# Altium PCB Minion.PcbDoc (part 1 of 10) (continued)
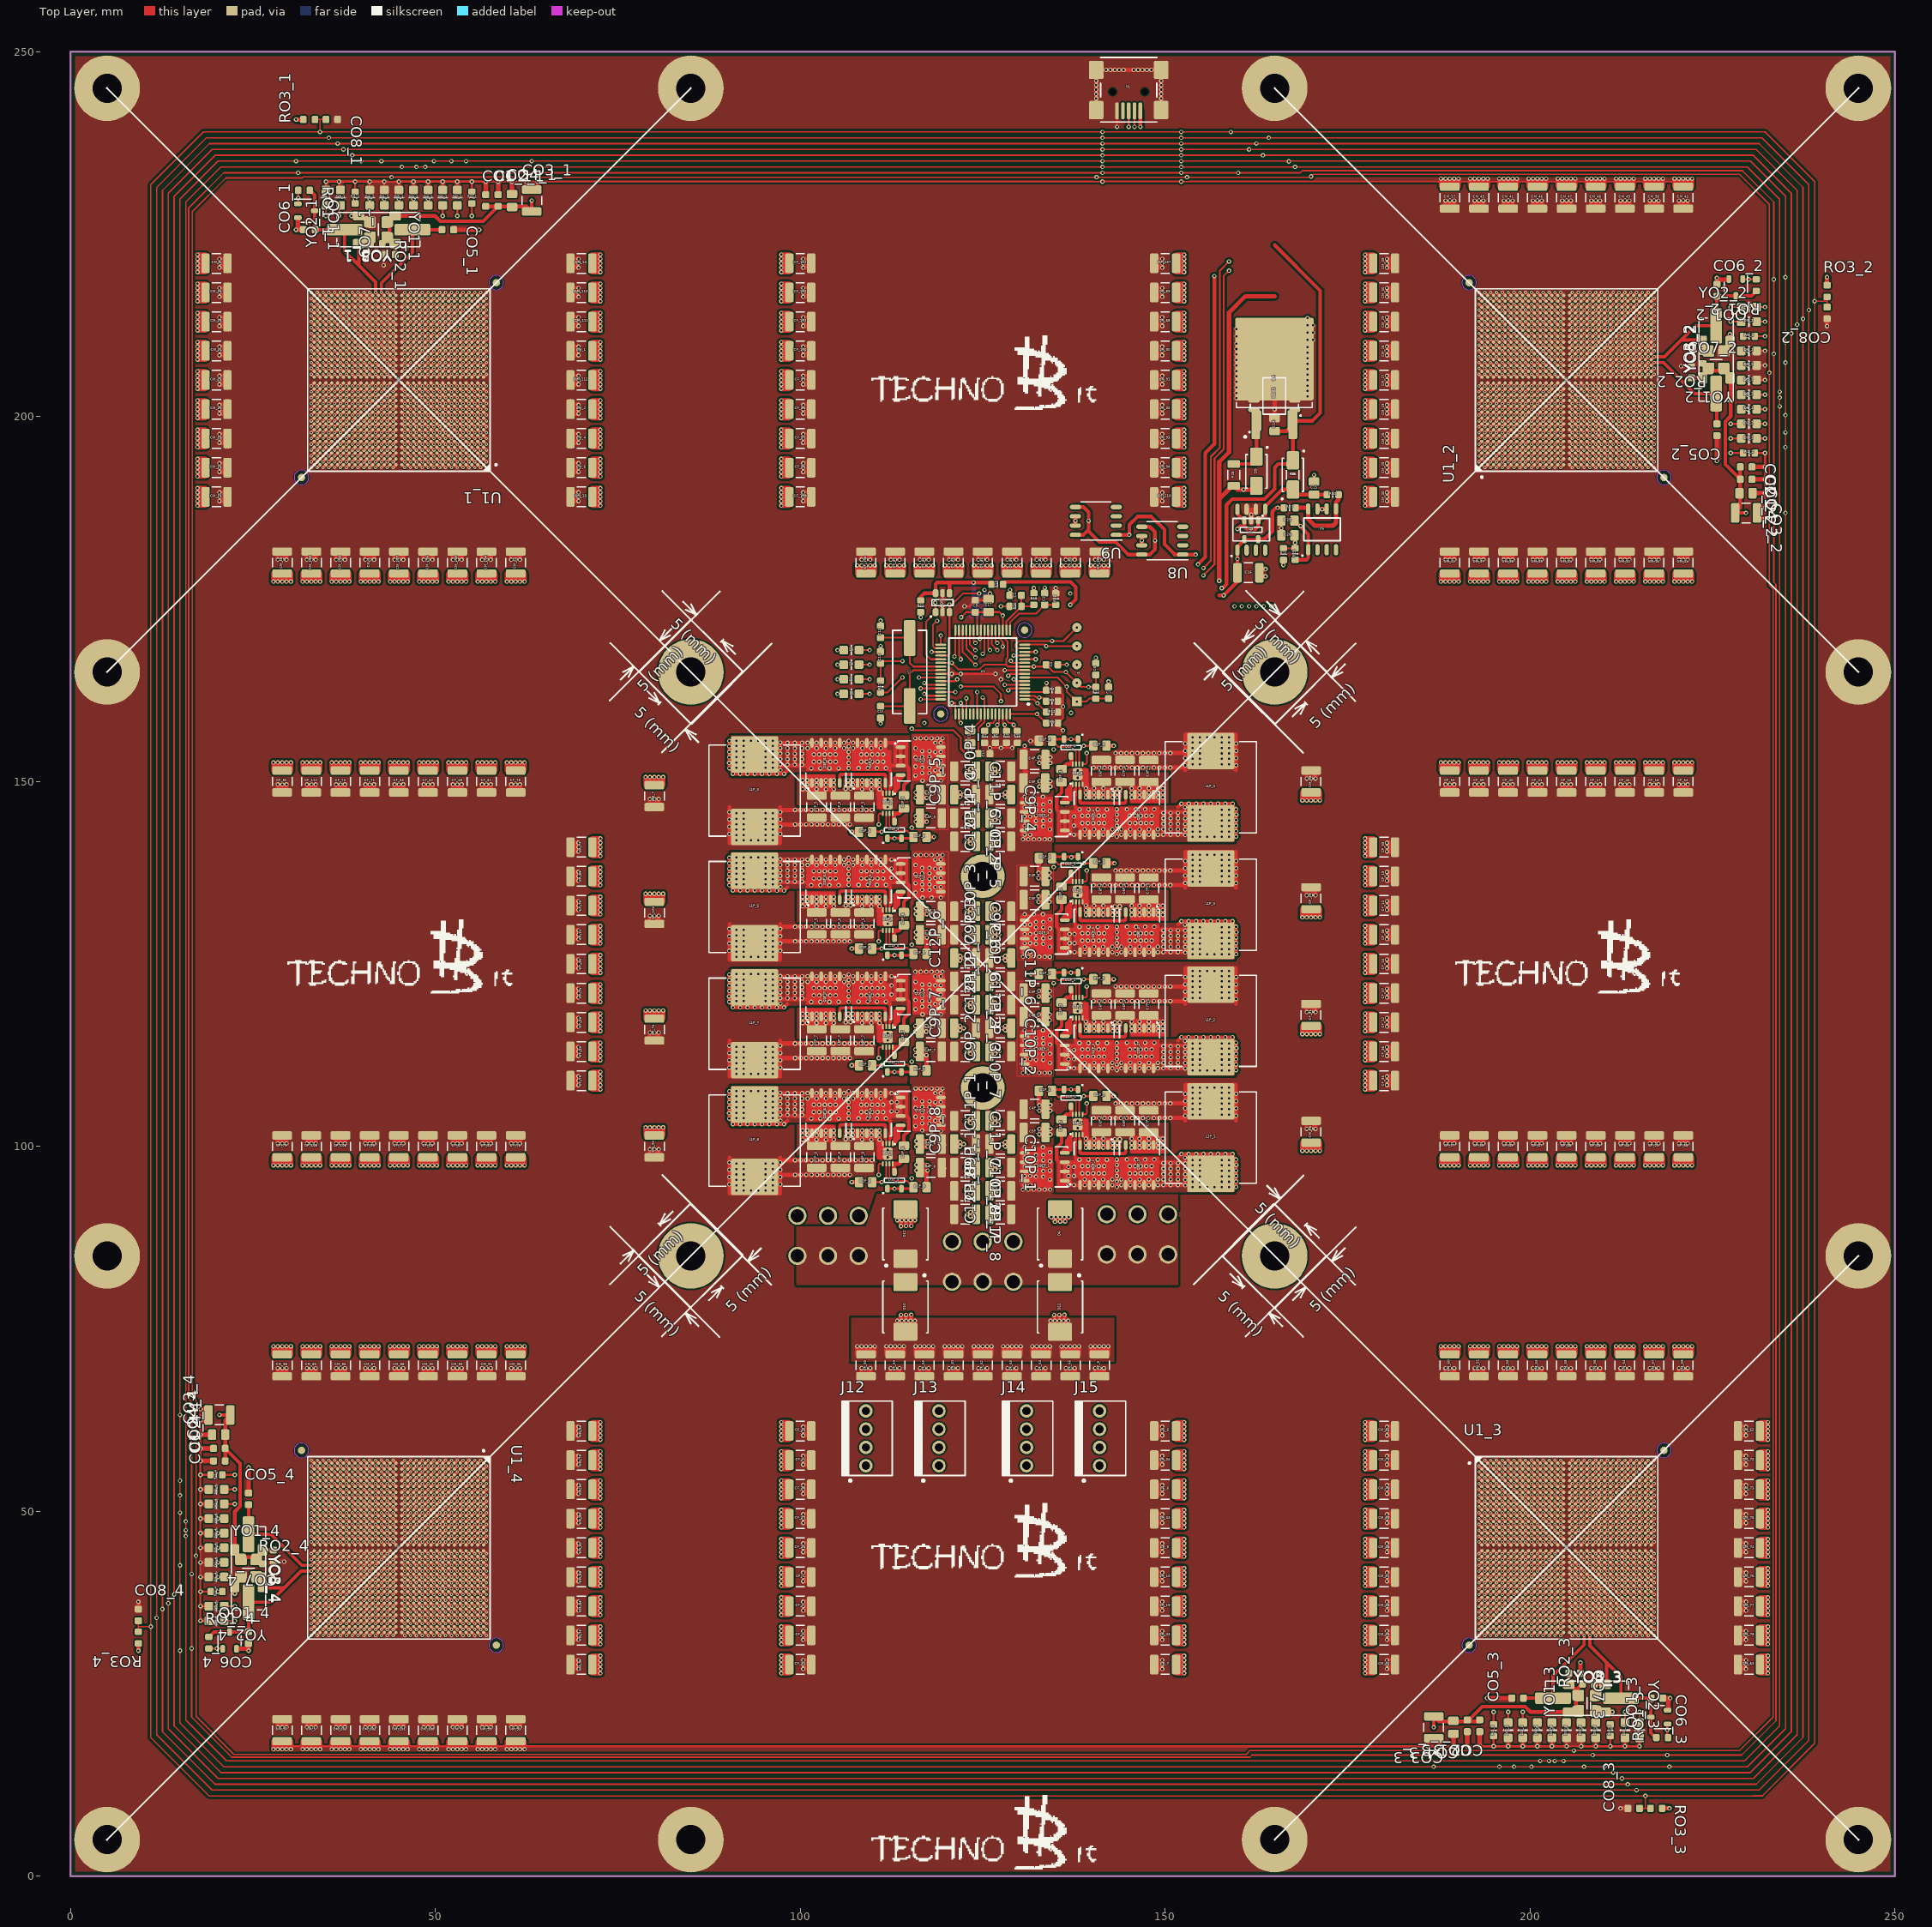
[diagram p0: Top Layer view]
## Components (designator, comment, footprint, x,y, rotation, side; value= is the part's Value field where it differs from the comment)
C1 "10uF/16V" SMD_0805_CAPC2012X145N 123.25,156.1 r270 top
C1P_1 "10uF/16V" SMD_0805_CAPC2012X145N 133.6,107.6 r0 top locked
C1P_2 "10uF/16V" SMD_0805_CAPC2012X145N 133.6,123.6 r0 top locked
C1P_3 "10uF/16V" SMD_0805_CAPC2012X145N 133.6,139.5 r0 top
C1P_4 "10uF/16V" SMD_0805_CAPC2012X145N 133.6,155.6 r0 top
C1P_5 "10uF/16V" SMD_0805_CAPC2012X145N 116.4,142.4 r180 top
C1P_6 "10uF/16V" SMD_0805_CAPC2012X145N 116.4,126.4 r180 top
C1P_7 "10uF/16V" SMD_0805_CAPC2012X145N 116.4,110.4 r180 top
C1P_8 "10uF/16V" SMD_0805_CAPC2012X145N 116.4,94.4 r180 top
C2 "1nF" SMD_0603_CAPC1608X80N 129.5,175.5 r180 top
C2P_1 "1uF/16V" SMD_0805_CAPC2012X145N 141.05,106.9 r0 top locked
C2P_2 "1uF/16V" SMD_0805_CAPC2012X145N 141.05,122.9 r0 top locked
C2P_3 "1uF/16V" SMD_0805_CAPC2012X145N 141.05,138.8 r0 top locked
C2P_4 "1uF/16V" SMD_0805_CAPC2012X145N 141.05,154.9 r0 top
C2P_5 "1uF/16V" SMD_0805_CAPC2012X145N 108.95,143.1 r180 top
C2P_6 "1uF/16V" SMD_0805_CAPC2012X145N 108.95,127.1 r180 top
C2P_7 "1uF/16V" SMD_0805_CAPC2012X145N 108.95,111.1 r180 top
C2P_8 "1uF/16V" SMD_0805_CAPC2012X145N 108.95,95.1 r180 top
C3 "1nF" SMD_0603_CAPC1608X80N 133.5,175 r90 top
C3P_1 "100nF/50V" SMD_0805_CAPC2012X145N 135.8,102.8 r270 top locked
C3P_2 "100nF/50V" SMD_0805_CAPC2012X145N 135.8,118.8 r270 top locked
C3P_3 "100nF/50V" SMD_0805_CAPC2012X145N 135.8,134.7 r270 top locked
C3P_4 "100nF/50V" SMD_0805_CAPC2012X145N 135.8,150.8 r270 top
C3P_5 "100nF/50V" SMD_0805_CAPC2012X145N 114.2,147.2 r90 top
C3P_6 "100nF/50V" SMD_0805_CAPC2012X145N 114.2,131.2 r90 top
C3P_7 "100nF/50V" SMD_0805_CAPC2012X145N 114.2,115.2 r90 top
C3P_8 "100nF/50V" SMD_0805_CAPC2012X145N 114.2,99.2 r90 top
C4 "100nF" SMD_0603_CAPC1608X80N 134.5,166 r0 top
C4P_1 "100uF" SMD_1210_CAPC3225X279N 132.1,105.1 r0 top
C4P_2 "100uF" SMD_1210_CAPC3225X279N 132.1,117.8 r0 top
C4P_3 "100uF" SMD_1210_CAPC3225X279N 132.1,137 r0 top
C4P_4 "100uF" SMD_1210_CAPC3225X279N 132.1,153 r0 top
C4P_5 "100uF" SMD_1210_CAPC3225X279N 117.9,145 r180 top
C4P_6 "100uF" SMD_1210_CAPC3225X279N 117.9,129 r180 top
C4P_7 "100uF" SMD_1210_CAPC3225X279N 117.9,116.2 r180 top
C4P_8 "100uF" SMD_1210_CAPC3225X279N 117.9,97.1 r180 top
C5P_1 "100uF" SMD_1210_CAPC3225X279N 132.1,101.9 r0 top
C5P_2 "100uF" SMD_1210_CAPC3225X279N 132.1,121 r0 top
C5P_3 "100uF" SMD_1210_CAPC3225X279N 132.1,133.8 r0 top
C5P_4 "100uF" SMD_1210_CAPC3225X279N 132.075,149.8 r0 top
C5P_5 "100uF" SMD_1210_CAPC3225X279N 117.9,148.2 r180 top
C5P_6 "100uF" SMD_1210_CAPC3225X279N 117.9,132.2 r180 top
C5P_7 "100uF" SMD_1210_CAPC3225X279N 117.9,113 r180 top
C5P_8 "100uF" SMD_1210_CAPC3225X279N 117.9,100.3 r180 top
C6P_1 "220uF" SMD_1210_CAPC3225X279N 144.5,103.45 r270 top
C6P_2 "220uF" SMD_1210_CAPC3225X279N 144.5,119.45 r270 top
C6P_3 "220uF" SMD_1210_CAPC3225X279N 144.5,135.35 r270 top
C6P_4 "220uF" SMD_1210_CAPC3225X279N 141.25,151.45 r270 top
C6P_5 "220uF" SMD_1210_CAPC3225X279N 105.5,146.55 r90 top
C6P_6 "220uF" SMD_1210_CAPC3225X279N 105.5,130.55 r90 top
C6P_7 "220uF" SMD_1210_CAPC3225X279N 105.5,114.55 r90 top
C6P_8 "220uF" SMD_1210_CAPC3225X279N 105.5,98.55 r90 top
C7 "100nF" SMD_0603_CAPC1608X80N 142.25,162.15 r90 top
C7P_1 "220uF" SMD_1210_CAPC3225X279N 147.75,103.45 r270 top
C7P_2 "220uF" SMD_1210_CAPC3225X279N 147.75,119.45 r270 top
C7P_3 "220uF" SMD_1210_CAPC3225X279N 147.75,135.35 r270 top
C7P_4 "220uF" SMD_1210_CAPC3225X279N 144.5,151.45 r270 top
C7P_5 "220uF" SMD_1210_CAPC3225X279N 102.25,146.55 r90 top
C7P_6 "220uF" SMD_1210_CAPC3225X279N 102.25,130.55 r90 top
C7P_7 "220uF" SMD_1210_CAPC3225X279N 102.25,114.55 r90 top
C7P_8 "220uF" SMD_1210_CAPC3225X279N 102.25,98.55 r90 top
C8 "100nF" SMD_0603_CAPC1608X80N 140.5,165.4 r90 top
C8P_1 "220uF" SMD_1210_CAPC3225X279N 141.25,103.45 r270 top locked
C8P_2 "220uF" SMD_1210_CAPC3225X279N 141.25,119.45 r270 top locked
C8P_3 "220uF" SMD_1210_CAPC3225X279N 141.25,135.35 r270 top locked
C8P_4 "220uF" SMD_1210_CAPC3225X279N 147.75,151.45 r270 top
C8P_5 "220uF" SMD_1210_CAPC3225X279N 108.75,146.55 r90 top
C8P_6 "220uF" SMD_1210_CAPC3225X279N 108.75,130.55 r90 top
C8P_7 "220uF" SMD_1210_CAPC3225X279N 108.75,114.55 r90 top
C8P_8 "220uF" SMD_1210_CAPC3225X279N 108.75,98.55 r90 top
C9 "100nF" SMD_0603_CAPC1608X80N 124,174 r90 top
C9P_1 "100uF" SMD_1210_CAPC3225X279N 127.4,97.1 r180 top
C9P_2 "(OPT)100uF" SMD_1210_CAPC3225X279N 127.4,113 r180 top
C9P_3 "100uF" SMD_1210_CAPC3225X279N 127.4,129 r180 top
C9P_4 "100uF" SMD_1210_CAPC3225X279N 127.4,148.2 r0 top
C9P_5 "100uF" SMD_1210_CAPC3225X279N 122.6,148.2 r180 top
C9P_6 "(OPT)100uF" SMD_1210_CAPC3225X279N 122.6,132.2 r0 top
C9P_7 "100uF" SMD_1210_CAPC3225X279N 122.6,116.2 r180 top
C9P_8 "100uF" SMD_1210_CAPC3225X279N 122.6,100.326 r180 top
C10 "100nF" SMD_0603_CAPC1608X80N 111,167 r90 top
C10P_1 "100uF" SMD_1210_CAPC3225X279N 127.4,100.3 r0 top
C10P_2 "100uF" SMD_1210_CAPC3225X279N 127.4,116.2 r0 top
C10P_3 "(OPT)100uF" SMD_1210_CAPC3225X279N 127.4,132.2 r180 top
C10P_4 "100uF" SMD_1210_CAPC3225X279N 127.4,151.4 r180 top
C10P_5 "100uF" SMD_1210_CAPC3225X279N 122.6,145 r0 top
C10P_6 "100uF" SMD_1210_CAPC3225X279N 122.6,129 r0 top
C10P_7 "(OPT)100uF" SMD_1210_CAPC3225X279N 122.6,113 r0 top
C10P_8 "100uF" SMD_1210_CAPC3225X279N 122.6,97.1 r0 top
C11 "100nF" SMD_0603_CAPC1608X80N 125.2,153.8 r0 top
C11P_1 "(OPT)100uF" SMD_1210_CAPC3225X279N 127.4,103.5 r180 top
C11P_2 "100uF" SMD_1210_CAPC3225X279N 127.4,122.6 r180 top
C11P_3 "100uF" SMD_1210_CAPC3225X279N 122.6,122.601 r0 top
C11P_4 "100uF" SMD_1210_CAPC3225X279N 127.4,145 r180 top
C11P_5 "100uF" SMD_1210_CAPC3225X279N 122.6,151.4 r0 top
C11P_6 "100uF" SMD_1210_CAPC3225X279N 127.4,125.8 r0 top
C11P_7 "(OPT)100uF" SMD_1210_CAPC3225X279N 122.6,103.501 r0 top
C11P_8 "100uF" SMD_1210_CAPC3225X279N 122.6,90.7 r0 top
C12 "18pF" SMD_0603_CAPC1608X80N 111,170.5 r90 top
C12P_1 "100uF" SMD_1210_CAPC3225X279N 127.4,93.899 r180 top
C12P_2 "100uF" SMD_1210_CAPC3225X279N 127.4,119.399 r180 top
C12P_3 "100uF" SMD_1210_CAPC3225X279N 122.6,119.399 r0 top
C12P_4 "(OPT)100uF" SMD_1210_CAPC3225X279N 127.4,141.8 r180 top
C12P_5 "(OPT)100uF" SMD_1210_CAPC3225X279N 122.6,141.8 r0 top
C12P_6 "100uF" SMD_1210_CAPC3225X279N 122.6,125.8 r180 top
C12P_7 "100uF" SMD_1210_CAPC3225X279N 122.6,93.9 r0 top
C12P_8 "100uF" SMD_1210_CAPC3225X279N 127.4,90.7 r180 top
C13 "18pF" SMD_0603_CAPC1608X80N 111,159.5 r270 top
C14 "10uF/16V" SMD_0805_CAPC2012X145N 165,198.9 r90 top
C15 "10uF/16V" SMD_0805_CAPC2012X145N 170.4,190.2 r90 top
C16 "220uF" SMD_1210_CAPC3225X279N 161.4,178.6 r0 top
C17 "22uF/6.3V" SMD_0805_CAPC2012X145N 125.8,174.1 r90 top
C25 "22uF/6.3V" SMD_0805_CAPC2012X145N 166.812,185.75 r0 top
C26 "22uF/6.3V" SMD_0805_CAPC2012X145N 166.812,183.725 r180 top
CF_1 "220uF" SMD_1210_CAPC3225X279N 100,41 r180 top
CF_2 "220uF" SMD_1210_CAPC3225X279N 100,37 r180 top
CF_3 "220uF" SMD_1210_CAPC3225X279N 100,33 r180 top
CF_4 "220uF" SMD_1210_CAPC3225X279N 100,57 r180 top
CF_5 "220uF" SMD_1210_CAPC3225X279N 141,70 r90 top
CF_6 "220uF" SMD_1210_CAPC3225X279N 150,61 r0 top
CF_7 "220uF" SMD_1210_CAPC3225X279N 150,29 r0 top
CF_8 "220uF" SMD_1210_CAPC3225X279N 150,53 r0 top
CF_9 "220uF" SMD_1210_CAPC3225X279N 150,45 r0 top
CF_10 "220uF" SMD_1210_CAPC3225X279N 150,41 r0 top
CF_11 "220uF" SMD_1210_CAPC3225X279N 70,129 r0 top
CF_12 "220uF" SMD_1210_CAPC3225X279N 180,117 r180 top
CF_13 "220uF" SMD_1210_CAPC3225X279N 180,125 r180 top
CF_14 "220uF" SMD_1210_CAPC3225X279N 180,133 r180 top
CF_15 "220uF" SMD_1210_CAPC3225X279N 180,137 r180 top
CF_16 "220uF" SMD_1210_CAPC3225X279N 205,150 r90 top
CF_17 "220uF" SMD_1210_CAPC3225X279N 209,150 r90 top
CF_18 "220uF" SMD_1210_CAPC3225X279N 217,150 r90 top
CF_19 "220uF" SMD_1210_CAPC3225X279N 150,37 r0 top
CF_20 "220uF" SMD_1210_CAPC3225X279N 70,125 r0 top
CF_21 "220uF" SMD_1210_CAPC3225X279N 70,121 r0 top
CF_22 "220uF" SMD_1210_CAPC3225X279N 49,150 r90 top
CF_23 "220uF" SMD_1210_CAPC3225X279N 70,117 r0 top
CF_24 "220uF" SMD_1210_CAPC3225X279N 70,113 r0 top
CF_25 "220uF" SMD_1210_CAPC3225X279N 217,100 r270 top
CF_26 "220uF" SMD_1210_CAPC3225X279N 100,45 r180 top
CF_27 "220uF" SMD_1210_CAPC3225X279N 100,49 r180 top
CF_28 "220uF" SMD_1210_CAPC3225X279N 100,53 r180 top
CF_29 "220uF" SMD_1210_CAPC3225X279N 170,134 r270 top
CF_30 "220uF" SMD_1210_CAPC3225X279N 109,70 r90 top
CF_31 "220uF" SMD_1210_CAPC3225X279N 100,61 r180 top
CF_32 "220uF" SMD_1210_CAPC3225X279N 100,29 r180 top
CF_33 "220uF" SMD_1210_CAPC3225X279N 150,49 r0 top
CF_34 "220uF" SMD_1210_CAPC3225X279N 150,57 r0 top
CF_35 "220uF" SMD_1210_CAPC3225X279N 57,100 r270 top
CF_36 "220uF" SMD_1210_CAPC3225X279N 180,113 r180 top
CF_37 "220uF" SMD_1210_CAPC3225X279N 180,121 r180 top
CF_38 "220uF" SMD_1210_CAPC3225X279N 180,129 r180 top
CF_39 "220uF" SMD_1210_CAPC3225X279N 193,150 r90 top
CF_40 "220uF" SMD_1210_CAPC3225X279N 197,150 r90 top
CF_41 "220uF" SMD_1210_CAPC3225X279N 201,150 r90 top
CF_42 "220uF" SMD_1210_CAPC3225X279N 213,150 r90 top
CF_43 "220uF" SMD_1210_CAPC3225X279N 150,33 r0 top
CF_44 "220uF" SMD_1210_CAPC3225X279N 213,100 r270 top
CF_45 "220uF" SMD_1210_CAPC3225X279N 209,100 r270 top
CF_46 "220uF" SMD_1210_CAPC3225X279N 205,100 r270 top
CF_47 "220uF" SMD_1210_CAPC3225X279N 201,100 r270 top
CF_48 "220uF" SMD_1210_CAPC3225X279N 53,150 r90 top
CF_49 "220uF" SMD_1210_CAPC3225X279N 197,100 r270 top
CF_50 "220uF" SMD_1210_CAPC3225X279N 193,100 r270 top
CF_51 "220uF" SMD_1210_CAPC3225X279N 170,118 r270 top
CF_52 "220uF" SMD_1210_CAPC3225X279N 57,150 r90 top
CF_53 "220uF" SMD_1210_CAPC3225X279N 189,150 r90 top
CF_54 "220uF" SMD_1210_CAPC3225X279N 221,150 r90 top
CF_55 "220uF" SMD_1210_CAPC3225X279N 180,141 r180 top
CF_56 "220uF" SMD_1210_CAPC3225X279N 180,109 r180 top
CF_57 "220uF" SMD_1210_CAPC3225X279N 189,100 r270 top
CF_58 "220uF" SMD_1210_CAPC3225X279N 221,100 r270 top
CF_59 "220uF" SMD_1210_CAPC3225X279N 113,70 r90 top
CF_60 "220uF" SMD_1210_CAPC3225X279N 117,70 r90 top
CF_61 "220uF" SMD_1210_CAPC3225X279N 121,70 r90 top
CF_62 "220uF" SMD_1210_CAPC3225X279N 125,70 r90 top
CF_63 "220uF" SMD_1210_CAPC3225X279N 129,70 r90 top
CF_64 "220uF" SMD_1210_CAPC3225X279N 133,70 r90 top
CF_65 "220uF" SMD_1210_CAPC3225X279N 45,150 r90 top
CF_66 "220uF" SMD_1210_CAPC3225X279N 137,70 r90 top
CF_67 "220uF" SMD_1210_CAPC3225X279N 53,100 r270 top
CF_68 "220uF" SMD_1210_CAPC3225X279N 49,100 r270 top
CF_69 "220uF" SMD_1210_CAPC3225X279N 70,137 r0 top
CF_70 "220uF" SMD_1210_CAPC3225X279N 70,133 r0 top
CF_71 "220uF" SMD_1210_CAPC3225X279N 41,150 r90 top
CF_72 "220uF" SMD_1210_CAPC3225X279N 45,100 r270 top
CF_73 "220uF" SMD_1210_CAPC3225X279N 37,150 r90 top
CF_74 "220uF" SMD_1210_CAPC3225X279N 80,116 r90 top
CF_75 "220uF" SMD_1210_CAPC3225X279N 70,109 r0 top
CF_76 "220uF" SMD_1210_CAPC3225X279N 61,100 r270 top
CF_77 "220uF" SMD_1210_CAPC3225X279N 70,141 r0 top
CF_78 "220uF" SMD_1210_CAPC3225X279N 61,150 r90 top
CF_79 "220uF" SMD_1210_CAPC3225X279N 29,100 r270 top
CF_80 "220uF" SMD_1210_CAPC3225X279N 29,150 r90 top
CF_81 "220uF" SMD_1210_CAPC3225X279N 137,180 r270 top
CF_82 "220uF" SMD_1210_CAPC3225X279N 133,180 r270 top
CF_83 "220uF" SMD_1210_CAPC3225X279N 129,180 r270 top
CF_84 "220uF" SMD_1210_CAPC3225X279N 125,180 r270 top
CF_85 "220uF" SMD_1210_CAPC3225X279N 121,180 r270 top
CF_86 "220uF" SMD_1210_CAPC3225X279N 117,180 r270 top
CF_87 "220uF" SMD_1210_CAPC3225X279N 113,180 r270 top
CF_88 "220uF" SMD_1210_CAPC3225X279N 150,213 r0 top
CF_89 "220uF" SMD_1210_CAPC3225X279N 150,217 r0 top
CF_90 "220uF" SMD_1210_CAPC3225X279N 150,209 r0 top
CF_91 "220uF" SMD_1210_CAPC3225X279N 150,205 r0 top
CF_92 "220uF" SMD_1210_CAPC3225X279N 150,201 r0 top
CF_93 "220uF" SMD_1210_CAPC3225X279N 150,197 r0 top
CF_94 "220uF" SMD_1210_CAPC3225X279N 150,193 r0 top
CF_95 "220uF" SMD_1210_CAPC3225X279N 41,100 r270 top
CF_96 "220uF" SMD_1210_CAPC3225X279N 100,193 r180 top
CF_97 "220uF" SMD_1210_CAPC3225X279N 100,197 r180 top
CF_98 "220uF" SMD_1210_CAPC3225X279N 100,201 r180 top
CF_99 "220uF" SMD_1210_CAPC3225X279N 100,205 r180 top
CF_100 "220uF" SMD_1210_CAPC3225X279N 100,209 r180 top
CF_101 "220uF" SMD_1210_CAPC3225X279N 100,213 r180 top
CF_102 "220uF" SMD_1210_CAPC3225X279N 100,217 r180 top
CF_103 "220uF" SMD_1210_CAPC3225X279N 109,180 r270 top
CF_104 "220uF" SMD_1210_CAPC3225X279N 80,132 r90 top
CF_105 "220uF" SMD_1210_CAPC3225X279N 141,180 r270 top
CF_106 "220uF" SMD_1210_CAPC3225X279N 37,100 r270 top
CF_107 "220uF" SMD_1210_CAPC3225X279N 150,221 r0 top
CF_108 "220uF" SMD_1210_CAPC3225X279N 33,100 r270 top
CF_109 "220uF" SMD_1210_CAPC3225X279N 100,189 r180 top
CF_110 "220uF" SMD_1210_CAPC3225X279N 150,189 r0 top
CF_111 "220uF" SMD_1210_CAPC3225X279N 100,221 r180 top
CF_112 "220uF" SMD_1210_CAPC3225X279N 33,150 r90 top
CM_1 "220uF" SMD_1210_CAPC3225X279N 70,209 r0 top
CM_2 "220uF" SMD_1210_CAPC3225X279N 70,201 r0 top
CM_3 "220uF" SMD_1210_CAPC3225X279N 41,180 r270 top
CM_4 "220uF" SMD_1210_CAPC3225X279N 70,197 r0 top
CM_5 "220uF" SMD_1210_CAPC3225X279N 33,20 r270 top
CM_6 "220uF" SMD_1210_CAPC3225X279N 70,193 r0 top
CM_7 "220uF" SMD_1210_CAPC3225X279N 80,148 r90 top
CM_8 "220uF" SMD_1210_CAPC3225X279N 20,221 r180 top
CM_9 "220uF" SMD_1210_CAPC3225X279N 53,20 r270 top
CM_10 "220uF" SMD_1210_CAPC3225X279N 29,180 r270 top
CM_11 "220uF" SMD_1210_CAPC3225X279N 70,33 r0 top
CM_12 "220uF" SMD_1210_CAPC3225X279N 61,180 r270 top
CM_13 "220uF" SMD_1210_CAPC3225X279N 70,221 r0 top
CM_14 "220uF" SMD_1210_CAPC3225X279N 20,189 r180 top
CM_15 "220uF" SMD_1210_CAPC3225X279N 70,189 r0 top
CM_16 "220uF" SMD_1210_CAPC3225X279N 20,193 r180 top
CM_17 "220uF" SMD_1210_CAPC3225X279N 189,230 r90 top
CM_18 "220uF" SMD_1210_CAPC3225X279N 20,197 r180 top
CM_19 "220uF" SMD_1210_CAPC3225X279N 180,201 r180 top
CM_20 "220uF" SMD_1210_CAPC3225X279N 20,201 r180 top
CM_21 "220uF" SMD_1210_CAPC3225X279N 20,209 r180 top
CM_22 "220uF" SMD_1210_CAPC3225X279N 20,205 r180 top
CM_23 "220uF" SMD_1210_CAPC3225X279N 20,213 r180 top
CM_24 "220uF" SMD_1210_CAPC3225X279N 20,217 r180 top
CM_25 "220uF" SMD_1210_CAPC3225X279N 180,193 r180 top
CM_26 "220uF" SMD_1210_CAPC3225X279N 180,197 r180 top
CM_27 "220uF" SMD_1210_CAPC3225X279N 180,205 r180 top
CM_28 "220uF" SMD_1210_CAPC3225X279N 180,209 r180 top
CM_29 "220uF" SMD_1210_CAPC3225X279N 180,213 r180 top
CM_30 "220uF" SMD_1210_CAPC3225X279N 180,217 r180 top
CM_31 "220uF" SMD_1210_CAPC3225X279N 217,180 r270 top
CM_32 "220uF" SMD_1210_CAPC3225X279N 213,180 r270 top
CM_33 "220uF" SMD_1210_CAPC3225X279N 209,180 r270 top
CM_34 "220uF" SMD_1210_CAPC3225X279N 205,180 r270 top
CM_35 "220uF" SMD_1210_CAPC3225X279N 201,180 r270 top
CM_36 "220uF" SMD_1210_CAPC3225X279N 197,180 r270 top
CM_37 "220uF" SMD_1210_CAPC3225X279N 193,180 r270 top
CM_38 "220uF" SMD_1210_CAPC3225X279N 170,150 r270 top
CM_39 "220uF" SMD_1210_CAPC3225X279N 180,221 r180 top
CM_40 "220uF" SMD_1210_CAPC3225X279N 180,189 r180 top
CM_41 "220uF" SMD_1210_CAPC3225X279N 197,230 r90 top
CM_42 "220uF" SMD_1210_CAPC3225X279N 189,180 r270 top
CM_43 "220uF" SMD_1210_CAPC3225X279N 221,230 r90 top
CM_44 "220uF" SMD_1210_CAPC3225X279N 221,180 r270 top
CM_45 "220uF" SMD_1210_CAPC3225X279N 193,230 r90 top
CM_46 "220uF" SMD_1210_CAPC3225X279N 201,230 r90 top
CM_47 "220uF" SMD_1210_CAPC3225X279N 205,230 r90 top
CM_48 "220uF" SMD_1210_CAPC3225X279N 209,230 r90 top
CM_49 "220uF" SMD_1210_CAPC3225X279N 213,230 r90 top
CM_50 "220uF" SMD_1210_CAPC3225X279N 217,230 r90 top
CM_51 "220uF" SMD_1210_CAPC3225X279N 193,70 r90 top
CM_52 "220uF" SMD_1210_CAPC3225X279N 197,70 r90 top
CM_53 "220uF" SMD_1210_CAPC3225X279N 201,70 r90 top
CM_54 "220uF" SMD_1210_CAPC3225X279N 213,70 r90 top
CM_55 "220uF" SMD_1210_CAPC3225X279N 205,70 r90 top
CM_56 "220uF" SMD_1210_CAPC3225X279N 209,70 r90 top
CM_57 "220uF" SMD_1210_CAPC3225X279N 217,70 r90 top
CM_58 "220uF" SMD_1210_CAPC3225X279N 170,102 r270 top
CM_59 "220uF" SMD_1210_CAPC3225X279N 221,70 r90 top
CM_60 "220uF" SMD_1210_CAPC3225X279N 189,70 r90 top
CM_61 "220uF" SMD_1210_CAPC3225X279N 180,61 r180 top
CM_62 "220uF" SMD_1210_CAPC3225X279N 230,61 r0 top
CM_63 "220uF" SMD_1210_CAPC3225X279N 230,29 r0 top
CM_64 "220uF" SMD_1210_CAPC3225X279N 180,29 r180 top
CM_65 "220uF" SMD_1210_CAPC3225X279N 180,33 r180 top
CM_66 "220uF" SMD_1210_CAPC3225X279N 180,37 r180 top
CM_67 "220uF" SMD_1210_CAPC3225X279N 180,41 r180 top
CM_68 "220uF" SMD_1210_CAPC3225X279N 180,45 r180 top
CM_69 "220uF" SMD_1210_CAPC3225X279N 180,49 r180 top
CM_70 "220uF" SMD_1210_CAPC3225X279N 180,53 r180 top
CM_71 "220uF" SMD_1210_CAPC3225X279N 180,57 r180 top
CM_72 "220uF" SMD_1210_CAPC3225X279N 230,57 r0 top
CM_73 "220uF" SMD_1210_CAPC3225X279N 230,53 r0 top
CM_74 "220uF" SMD_1210_CAPC3225X279N 230,45 r0 top
CM_75 "220uF" SMD_1210_CAPC3225X279N 230,49 r0 top
CM_76 "220uF" SMD_1210_CAPC3225X279N 230,41 r0 top
CM_77 "220uF" SMD_1210_CAPC3225X279N 230,37 r0 top
CM_78 "220uF" SMD_1210_CAPC3225X279N 230,33 r0 top
CM_79 "220uF" SMD_1210_CAPC3225X279N 70,57 r0 top
CM_80 "220uF" SMD_1210_CAPC3225X279N 70,49 r0 top
CM_81 "220uF" SMD_1210_CAPC3225X279N 70,53 r0 top
CM_82 "220uF" SMD_1210_CAPC3225X279N 70,45 r0 top
CM_83 "220uF" SMD_1210_CAPC3225X279N 70,41 r0 top
CM_84 "220uF" SMD_1210_CAPC3225X279N 70,37 r0 top
CM_85 "220uF" SMD_1210_CAPC3225X279N 33,70 r90 top
CM_86 "220uF" SMD_1210_CAPC3225X279N 37,70 r90 top
CM_87 "220uF" SMD_1210_CAPC3225X279N 41,70 r90 top
CM_88 "220uF" SMD_1210_CAPC3225X279N 45,70 r90 top
CM_89 "220uF" SMD_1210_CAPC3225X279N 53,70 r90 top
CM_90 "220uF" SMD_1210_CAPC3225X279N 49,70 r90 top
CM_91 "220uF" SMD_1210_CAPC3225X279N 57,70 r90 top
CM_92 "220uF" SMD_1210_CAPC3225X279N 80,100 r90 top
CM_93 "220uF" SMD_1210_CAPC3225X279N 61,20 r270 top
CM_94 "220uF" SMD_1210_CAPC3225X279N 70,61 r0 top
CM_95 "220uF" SMD_1210_CAPC3225X279N 70,29 r0 top
CM_96 "220uF" SMD_1210_CAPC3225X279N 61,70 r90 top
CM_97 "220uF" SMD_1210_CAPC3225X279N 29,20 r270 top
CM_98 "220uF" SMD_1210_CAPC3225X279N 29,70 r90 top
CM_99 "220uF" SMD_1210_CAPC3225X279N 57,20 r270 top
CM_100 "220uF" SMD_1210_CAPC3225X279N 49,20 r270 top
CM_101 "220uF" SMD_1210_CAPC3225X279N 45,20 r270 top
CM_102 "220uF" SMD_1210_CAPC3225X279N 41,20 r270 top
CM_103 "220uF" SMD_1210_CAPC3225X279N 37,20 r270 top
CM_104 "220uF" SMD_1210_CAPC3225X279N 57,180 r270 top
CM_105 "220uF" SMD_1210_CAPC3225X279N 53,180 r270 top
CM_106 "220uF" SMD_1210_CAPC3225X279N 49,180 r270 top
CM_107 "220uF" SMD_1210_CAPC3225X279N 45,180 r270 top
CM_108 "220uF" SMD_1210_CAPC3225X279N 37,180 r270 top
CM_109 "220uF" SMD_1210_CAPC3225X279N 33,180 r270 top
CM_110 "220uF" SMD_1210_CAPC3225X279N 70,217 r0 top
CM_111 "220uF" SMD_1210_CAPC3225X279N 70,213 r0 top
CM_112 "220uF" SMD_1210_CAPC3225X279N 70,205 r0 top
CO1_1 "1nF" SMD_0603_CAPC1608X80N 56.9,229.6 r90 top
CO1_2 "1nF" SMD_0603_CAPC1608X80N 229.6,191.4 r0 top
CO1_3 "1nF" SMD_0603_CAPC1608X80N 191.4,20.6 r270 top
CO1_4 "1nF" SMD_0603_CAPC1608X80N 20.4,56.9 r180 top
CO2_1 "100nF" SMD_0603_CAPC1608X80N 58.601,229.6 r90 top
CO2_2 "100nF" SMD_0603_CAPC1608X80N 229.6,193.1 r0 top
CO2_3 "100nF" SMD_0603_CAPC1608X80N 193.1,20.6 r270 top
CO2_4 "100nF" SMD_0603_CAPC1608X80N 20.4,58.611 r180 top
CO3_1 "220uF" SMD_1210_CAPC3225X279N 63.2,229.6 r90 top
CO3_2 "220uF" SMD_1210_CAPC3225X279N 229.6,186.8 r0 top
CO3_3 "220uF" SMD_1210_CAPC3225X279N 186.8,20.4 r270 top
CO3_4 "220uF" SMD_1210_CAPC3225X279N 20.4,63.2 r180 top
CO4_1 "22uF/6.3V" SMD_0805_CAPC2012X145N 60.5,229.6 r90 top
CO4_2 "22uF/6.3V" SMD_0805_CAPC2012X145N 229.6,189.5 r0 top
CO4_3 "22uF/6.3V" SMD_0805_CAPC2012X145N 189.5,20.4 r270 top
CO4_4 "22uF/6.3V" SMD_0805_CAPC2012X145N 20.3,60.5 r180 top
CO5_1 "(OPT)1nF" SMD_0603_CAPC1608X80N 51.7,225.6 r0 top
CO5_2 "(OPT)1nF" SMD_0603_CAPC1608X80N 225.6,198.2 r270 top
CO5_3 "(OPT)1nF" SMD_0603_CAPC1608X80N 198.3,24.4 r180 top
CO5_4 "(OPT)1nF" SMD_0603_CAPC1608X80N 24.4,51.7 r90 top
CO6_1 "(OPT)1nF" SMD_0603_CAPC1608X80N 32.7,225.6 r180 top
CO6_2 "(OPT)1nF" SMD_0603_CAPC1608X80N 225.6,217.3 r90 top
CO6_3 "(OPT)1nF" SMD_0603_CAPC1608X80N 217.4,24.4 r0 top
CO6_4 "(OPT)1nF" SMD_0603_CAPC1608X80N 24.4,32.7 r270 top
CO7_1 "470nF" SMD_0603_CAPC1608X80N 43.7,222.2 r180 top
CO7_2 "470nF" SMD_0603_CAPC1608X80N 222.1,206.1 r90 top
CO7_3 "470nF" SMD_0603_CAPC1608X80N 206.1,27.8 r0 top
CO7_4 "470nF" SMD_0603_CAPC1608X80N 27.8,43.9 r270 top
CO8_1 "100nF" SMD_0603_CAPC1608X80N 35.8,240.7 r0 top
CO8_2 "100nF" SMD_0603_CAPC1608X80N 240.7,214.2 r270 top
CO8_3 "100nF" SMD_0603_CAPC1608X80N 214.2,9.3 r180 top
CO8_4 "100nF" SMD_0603_CAPC1608X80N 9.3,35.8 r90 top
D1 "Red SML210VT ROHM" SMD_0805_LED2012X100N 107,162 r0 top
D1P_1 "BAT54C" SMD_SOT23_SOT95P240X120-3N 137.1,106.65 r270 top locked
D1P_2 "BAT54C" SMD_SOT23_SOT95P240X120-3N 137.1,122.65 r270 top locked
D1P_3 "BAT54C" SMD_SOT23_SOT95P240X120-3N 137.1,138.55 r270 top locked
D1P_4 "BAT54C" SMD_SOT23_SOT95P240X120-3N 137.1,154.65 r270 top locked
D1P_5 "BAT54C" SMD_SOT23_SOT95P240X120-3N 112.9,143.35 r90 top
D1P_6 "BAT54C" SMD_SOT23_SOT95P240X120-3N 112.9,127.35 r90 top
D1P_7 "BAT54C" SMD_SOT23_SOT95P240X120-3N 112.9,111.35 r90 top
D1P_8 "BAT54C" SMD_SOT23_SOT95P240X120-3N 112.9,95.35 r90 top
D2 "Green 	SML210MT ROHM" SMD_0805_LED2012X100N 107,164 r0 top
D3 "Yellow SML210YT ROHM" SMD_0805_LED2012X100N 107,168 r0 top
D4 "Orange 	SML210DT ROHM" SMD_0805_LED2012X100N 107,166 r0 top
D5 "SMS05T1G" SMD_SOT95P280X145-6N-W 119.5,174.5 r90 top
D6 "SMCJ12A" SMD_DO214AC_SMC 135.6,88 r90 top
D7 "(OPT)SS14" SMD_DO214AC_SMA 167.5,192 r270 top
D8 "(OPT)SS14" SMD_DO214AC_SMA 167.5,192 r90 top
D9 "SS14" SMD_DO214AC_SMA 162.5,192.5 r270 top
D10 "SMCJ12A" SMD_DO214AC_SMC 114.4,78 r270 top
D11 "SMCJ12A" SMD_DO214AC_SMC 114.4,88 r90 top
D12 "SMCJ12A" SMD_DO214AC_SMC 135.6,78 r270 top
DI1_1 "Red SML210VT ROHM" SMD_0805_LED2012X100N 43,230 r270 top
DI1_2 "Red SML210VT ROHM" SMD_0805_LED2012X100N 230,207 r180 top
DI1_3 "Red SML210VT ROHM" SMD_0805_LED2012X100N 207,20 r90 top
DI1_4 "Red SML210VT ROHM" SMD_0805_LED2012X100N 20,43 r0 top
DI2_1 "Green 	SML210MT ROHM" SMD_0805_LED2012X100N 51,230 r270 top
DI2_2 "Green 	SML210MT ROHM" SMD_0805_LED2012X100N 230,199 r180 top
DI2_3 "Green 	SML210MT ROHM" SMD_0805_LED2012X100N 199,20 r90 top
DI2_4 "Green 	SML210MT ROHM" SMD_0805_LED2012X100N 20,51 r0 top
DI3_1 "Yellow SML210YT ROHM" SMD_0805_LED2012X100N 47,230 r270 top
DI3_2 "Yellow SML210YT ROHM" SMD_0805_LED2012X100N 230,203 r180 top
DI3_3 "Yellow SML210YT ROHM" SMD_0805_LED2012X100N 203,20 r90 top
DI3_4 "Yellow SML210YT ROHM" SMD_0805_LED2012X100N 20,47 r0 top
DI4_1 "(OPT)Orange 	SML210DT ROHM" SMD_0805_LED2012X100N 35,230 r270 top
DI4_2 "(OPT)Orange 	SML210DT ROHM" SMD_0805_LED2012X100N 230,215 r180 top
DI4_3 "(OPT)Orange 	SML210DT ROHM" SMD_0805_LED2012X100N 215,20 r90 top
DI4_4 "(OPT)Orange 	SML210DT ROHM" SMD_0805_LED2012X100N 20,35 r0 top
DI5_1 "Red SML210VT ROHM" SMD_0805_LED2012X100N 45,230 r270 top
DI5_2 "Red SML210VT ROHM" SMD_0805_LED2012X100N 230,205 r180 top
DI5_3 "Red SML210VT ROHM" SMD_0805_LED2012X100N 205,20 r90 top
DI5_4 "Red SML210VT ROHM" SMD_0805_LED2012X100N 20,45 r0 top
DI6_1 "Green 	SML210MT ROHM" SMD_0805_LED2012X100N 41,230 r270 top
DI6_2 "Green 	SML210MT ROHM" SMD_0805_LED2012X100N 230,209 r180 top
DI6_3 "Green 	SML210MT ROHM" SMD_0805_LED2012X100N 209,20 r90 top
DI6_4 "Green 	SML210MT ROHM" SMD_0805_LED2012X100N 20,41 r0 top
DI7_1 "(OPT)Yellow SML210YT ROHM" SMD_0805_LED2012X100N 53,230 r270 top
DI7_2 "(OPT)Yellow SML210YT ROHM" SMD_0805_LED2012X100N 230,197 r180 top
DI7_3 "(OPT)Yellow SML210YT ROHM" SMD_0805_LED2012X100N 197,20 r90 top
DI7_4 "(OPT)Yellow SML210YT ROHM" SMD_0805_LED2012X100N 20,53 r0 top
DI8_1 "Orange 	SML210DT ROHM" SMD_0805_LED2012X100N 49,230 r270 top
DI8_2 "Orange 	SML210DT ROHM" SMD_0805_LED2012X100N 230,201 r180 top
DI8_3 "Orange 	SML210DT ROHM" SMD_0805_LED2012X100N 201,20 r90 top
DI8_4 "Orange 	SML210DT ROHM" SMD_0805_LED2012X100N 20,49 r0 top
DI9_1 "(OPT)Yellow SML210YT ROHM" SMD_0805_LED2012X100N 37,230 r270 top
DI9_2 "(OPT)Yellow SML210YT ROHM" SMD_0805_LED2012X100N 230,213 r180 top
DI9_3 "(OPT)Yellow SML210YT ROHM" SMD_0805_LED2012X100N 213,20 r90 top
DI9_4 "(OPT)Yellow SML210YT ROHM" SMD_0805_LED2012X100N 20,37 r0 top
J1 "(OPT) CON PROGRAM" "SIP5 PGM TOP" 137.9,160.95 r90 top
J2 "CU04SCM15B0-R0" SMD_CON-CVILUX-CU04-SCM15B0 145,244.5 r180 top
J4 "WURTH 649 006 295 22" PTH_CON_PCI-E 146.2,87.95 r0 bottom
J5 "BGA FAN" SMD_BGA900_FAN 45,205 r0 top locked
J6 "BGA FAN" SMD_BGA900_FAN 205,205 r0 top locked
J7 "BGA FAN" SMD_BGA900_FAN 205,45 r0 top locked
J8 "BGA FAN" SMD_BGA900_FAN 45,45 r0 top locked
J9 "WURTH 649 006 295 22" PTH_CON_PCI-E 125,84.2 r0 bottom
J10 "WURTH 649 006 295 22" PTH_CON_PCI-E 103.8,87.75 r0 bottom
J12 "CON FAN" PTH_CON_PANCON-MPSS100-04D 109,60 r90 top
J13 "CON FAN" PTH_CON_PANCON-MPSS100-04D 119,60 r90 top
J14 "CON FAN" PTH_CON_PANCON-MPSS100-04D 131,60 r90 top
J15 "CON FAN" PTH_CON_PANCON-MPSS100-04D 141,60 r90 top
L1P_1 "SLC1480-201MLD" "SMD_INDM12501250X800A - Coilcraft SLC1480" 156.25,101.2 r90 top locked
L1P_2 "SLC1480-201MLD" "SMD_INDM12501250X800A - Coilcraft SLC1480" 156.25,117.2 r90 top locked
L1P_3 "SLC1480-201MLD" "SMD_INDM12501250X800A - Coilcraft SLC1480" 156.25,133.1 r90 top locked
L1P_4 "SLC1480-201MLD" "SMD_INDM12501250X800A - Coilcraft SLC1480" 156.25,149.2 r90 top locked
L1P_5 "SLC1480-201MLD" "SMD_INDM12501250X800A - Coilcraft SLC1480" 93.75,148.75 r270 top
L1P_6 "SLC1480-201MLD" "SMD_INDM12501250X800A - Coilcraft SLC1480" 93.75,132.8 r270 top
L1P_7 "SLC1480-201MLD" "SMD_INDM12501250X800A - Coilcraft SLC1480" 93.75,116.8 r270 top
L1P_8 "SLC1480-201MLD" "SMD_INDM12501250X800A - Coilcraft SLC1480" 93.75,100.8 r270 top
Q1P_1 "AP1RA03GMT-3" SMD_SON127P615X520X100-8N 133.5,97.2 r180 top locked
Q1P_2 "AP1RA03GMT-3" SMD_SON127P615X520X100-8N 133.5,113.2 r180 top locked
Q1P_3 "AP1RA03GMT-3" SMD_SON127P615X520X100-8N 133.5,129.1 r180 top locked
Q1P_4 "AP1RA03GMT-3" SMD_SON127P615X520X100-8N 133.501,145.2 r180 top
Q1P_5 "AP1RA03GMT-3" SMD_SON127P615X520X100-8N 116.5,152.8 r0 top
Q1P_6 "AP1RA03GMT-3" SMD_SON127P615X520X100-8N 116.5,136.8 r0 top
Q1P_7 "AP1RA03GMT-3" SMD_SON127P615X520X100-8N 116.5,120.8 r0 top
Q1P_8 "AP1RA03GMT-3" SMD_SON127P615X520X100-8N 116.5,104.8 r0 top
Q2P_1 "AP1RA03GMT-3" SMD_SON127P615X520X100-8N 140.255,97.45 r270 top locked
Q2P_2 "AP1RA03GMT-3" SMD_SON127P615X520X100-8N 140.255,113.45 r270 top locked
Q2P_3 "AP1RA03GMT-3" SMD_SON127P615X520X100-8N 140.255,129.35 r270 top locked
Q2P_4 "AP1RA03GMT-3" SMD_SON127P615X520X100-8N 140.255,145.45 r270 top
Q2P_5 "AP1RA03GMT-3" SMD_SON127P615X520X100-8N 109.745,152.55 r90 top
Q2P_6 "AP1RA03GMT-3" SMD_SON127P615X520X100-8N 109.745,136.55 r90 top
Q2P_7 "AP1RA03GMT-3" SMD_SON127P615X520X100-8N 109.745,120.55 r90 top
Q2P_8 "AP1RA03GMT-3" SMD_SON127P615X520X100-8N 109.745,104.55 r90 top
Q3P_1 "AP1RA03GMT-3" SMD_SON127P615X520X100-8N 146.5,97.45 r270 top locked
Q3P_2 "AP1RA03GMT-3" SMD_SON127P615X520X100-8N 146.5,113.45 r270 top locked
Q3P_3 "AP1RA03GMT-3" SMD_SON127P615X520X100-8N 146.5,129.35 r270 top locked
Q3P_4 "AP1RA03GMT-3" SMD_SON127P615X520X100-8N 146.5,145.45 r270 top locked
Q3P_5 "AP1RA03GMT-3" SMD_SON127P615X520X100-8N 103.5,152.55 r90 top
Q3P_6 "AP1RA03GMT-3" SMD_SON127P615X520X100-8N 103.5,136.55 r90 top
Q3P_7 "AP1RA03GMT-3" SMD_SON127P615X520X100-8N 103.5,120.55 r90 top
Q3P_8 "AP1RA03GMT-3" SMD_SON127P615X520X100-8N 103.5,104.55 r90 top
QO1_1 "(OPT)BSS138" SMD_SOT23_SOT95P240X120-3N 32.3,228.2 r0 top
QO1_2 "(OPT)BSS138" SMD_SOT23_SOT95P240X120-3N 228.2,217.7 r270 top
QO1_3 "(OPT)BSS138" SMD_SOT23_SOT95P240X120-3N 217.7,21.8 r180 top
QO1_4 "(OPT)BSS138" SMD_SOT23_SOT95P240X120-3N 21.8,32.3 r90 top
R1 "10k" SMD_0603_RESC1608X55N 126.75,156.1 r270 top
R2 "10k" SMD_0603_RESC1608X55N 125.25,156.1 r270 top
R3 "10k" SMD_0603_RESC1608X55N 134.5,161 r180 top
R4 "10k" SMD_0603_RESC1608X55N 134.5,162.5 r180 top
R9 "10k" SMD_0603_RESC1608X55N 134.5,158 r0 top
R10 "10k" SMD_0603_RESC1608X55N 129.75,156.1 r270 top
R11 "10k" SMD_0603_RESC1608X55N 128.25,156.1 r270 top
R12 "10k" SMD_0603_RESC1608X55N 134.5,159.5 r180 top
R15 "10k" SMD_0603_RESC1608X55N 132,175 r270 top
R16 "2.4k" SMD_0603_RESC1608X55N 129.5,174 r0 top
R17 "0" SMD_0603_RESC1608X55N 111,163 r270 top
R18 "10k" SMD_0603_RESC1608X55N 135,175 r90 top
R22 "10k" SMD_0603_RESC1608X55N 140.5,162.15 r90 top
R23 "10k" SMD_0603_RESC1608X55N 116.5,174 r270 top
R25 "0" SMD_0603_RESC1608X55N 127,177 r180 top
R26 "2" SMD_1206_RESC3216X180N 167.5,192 r270 top
R27 "0" SMD_0603_RESC1608X55N 167.062,187.5 r0 top
R28 "100" SMD_1206_RESC3216X180N 159.4,192 r270 top
R29 "47" SMD_0603_RESC1608X55N 167.812,181.175 r90 top
R30 "(OPT)0" SMD_0603_RESC1608X55N 172.962,189.3 r180 top
R31 "47" SMD_0603_RESC1608X55N 166.2,181.15 r90 top
RI1_1 "0" SMD_0603_RESC1608X55N 39,230 r90 top
RI1_2 "0" SMD_0603_RESC1608X55N 230,211 r0 top
RI1_3 "0" SMD_0603_RESC1608X55N 211,20 r270 top
RI1_4 "0" SMD_0603_RESC1608X55N 20,39 r180 top
RI2_1 "0" SMD_0603_RESC1608X55N 55,230 r90 top
RI2_2 "0" SMD_0603_RESC1608X55N 230,195 r0 top
RI2_3 "0" SMD_0603_RESC1608X55N 195,20 r270 top
RI2_4 "0" SMD_0603_RESC1608X55N 20,55 r180 top
RO1_1 "(OPT)0" SMD_0603_RESC1608X55N 32,231 r0 top
RO1_2 "(OPT)0" SMD_0603_RESC1608X55N 231,218 r270 top
RO1_3 "(OPT)0" SMD_0603_RESC1608X55N 218.1,19 r180 top
RO1_4 "(OPT)0" SMD_0603_RESC1608X55N 18.95,32 r90 top
RO2_1 "(OPT)1k" SMD_0603_RESC1608X55N 41.9,223.7 r0 top
RO2_2 "(OPT)1k" SMD_0603_RESC1608X55N 223.7,208.1 r270 top
RO2_3 "(OPT)1k" SMD_0603_RESC1608X55N 208,26.3 r180 top
RO2_4 "(OPT)1k" SMD_0603_RESC1608X55N 26.3,42 r90 top
RO3_1 "10k" SMD_0603_RESC1608X55N 32.7,240.7 r180 top
RO3_2 "10k" SMD_0603_RESC1608X55N 240.7,217.2 r90 top
RO3_3 "10k" SMD_0603_RESC1608X55N 217.3,9.3 r0 top
RO3_4 "10k" SMD_0603_RESC1608X55N 9.3,32.7 r270 top
U1 "dsPIC33EP256MU806" SMD_QFP50P1200X1200X120-64N 125,165 r180 top
U1_1 "Minion BGA" "SMD_BGA900C80P30X30_2500X2500X240 -  FANOUT" 45,205 r180 top
U1_2 "Minion BGA" "SMD_BGA900C80P30X30_2500X2500X240 -  FANOUT" 205,205 r90 top
U1_3 "Minion BGA" "SMD_BGA900C80P30X30_2500X2500X240 -  FANOUT" 205,45 r0 top
U1_4 "Minion BGA" "SMD_BGA900C80P30X30_2500X2500X240 -  FANOUT" 45,45 r270 top
U1P_1 "LTC 4449" "SMD_DFN16166SON50P161X161X60-9N - LTC4449" 138,103 r90 top locked
U1P_2 "LTC 4449" "SMD_DFN16166SON50P161X161X60-9N - LTC4449" 138,119 r90 top locked
U1P_3 "LTC 4449" "SMD_DFN16166SON50P161X161X60-9N - LTC4449" 138,134.9 r90 top locked
U1P_4 "LTC 4449" "SMD_DFN16166SON50P161X161X60-9N - LTC4449" 138,151 r90 top locked
U1P_5 "LTC 4449" "SMD_DFN16166SON50P161X161X60-9N - LTC4449" 112,147 r270 top
U1P_6 "LTC 4449" "SMD_DFN16166SON50P161X161X60-9N - LTC4449" 112,131 r270 top
U1P_7 "LTC 4449" "SMD_DFN16166SON50P161X161X60-9N - LTC4449" 112,115 r270 top
U1P_8 "LTC 4449" "SMD_DFN16166SON50P161X161X60-9N - LTC4449" 112,99 r270 top
U2 "(OPT) LM7805" SMD_SOIC127P602X173-8N 164.96,202.825 r180 top
U3 "(OPT)BU33TD3WG-TR" "SMD_SOT26_SOT95P285X140-5N - DLV" 161.795,184.5 r270 top
U4 "(OPT) L7805CD2T-TR" SMD_TO254P1524X483-3_4N_D2PAK 164.96,205.225 r90 top
U5 "L78M05CDT-TR" SMD_TO229P991X239-4AN_DPAK 164.96,203.575 r90 top
U6 "BD18KA5WF" SMD_SOIC127P602X173-8N 171.5,184.55 r90 top
U7 "BD33KA5WF" SMD_SOIC127P602X173-8N 161.795,184.5 r90 top
U8 "BD33KA5WF" SMD_SOIC127P602X173-8N 149.6,183 r180 top
U9 "BD33KA5WF" SMD_SOIC127P602X173-8N 140.5,185.7 r180 top
Y1 "Q4.000 MHz HC-49SM SMD" SMD_HC49_XTAL1140X480X420N 115,165 r270 top
YO1_1 "(OPT)XTAL_TXC 16 MHz" "SMD_OSC_TA 7x5mm" 42,225.6 r270 top
YO1_2 "(OPT)XTAL_TXC 16 MHz" "SMD_OSC_TA 7x5mm" 225.5,207.8 r180 top
YO1_3 "(OPT)XTAL_TXC 16 MHz" "SMD_OSC_TA 7x5mm" 207.8,24.4 r90 top
YO1_4 "(OPT)XTAL_TXC 16 MHz" "SMD_OSC_TA 7x5mm" 24.4,42.2 r0 top
YO2_1 "(OPT)Q12.000 MHz HC-49SM SMD" SMD_HC49_XTAL1140X480X420N 42.2,225.6 r180 top
YO2_2 "(OPT)Q12.000 MHz HC-49SM SMD" SMD_HC49_XTAL1140X480X420N 225.5,207.8 r90 top
YO2_3 "(OPT)Q12.000 MHz HC-49SM SMD" SMD_HC49_XTAL1140X480X420N 207.8,24.4 r0 top
YO2_4 "(OPT)Q12.000 MHz HC-49SM SMD" SMD_HC49_XTAL1140X480X420N 24.4,42.2 r270 top
YO3_1 "(OPT)XTAL_TXC 16 MHz" SMD_OSC_DFN_3.2x5mm 42.2,225.6 r270 top
YO3_2 "(OPT)XTAL_TXC 16 MHz" SMD_OSC_DFN_3.2x5mm 225.5,207.8 r180 top
YO3_3 "(OPT)XTAL_TXC 16 MHz" SMD_OSC_DFN_3.2x5mm 207.8,23.7 r90 top
YO3_4 "(OPT)XTAL_TXC 16 MHz" SMD_OSC_DFN_3.2x5mm 24.4,42.2 r0 top
YO4_1 "XTAL_TXC 16 MHz" SMD_OSC_DFN_2.5X3.2MM 42.2,225.6 r270 top
YO4_2 "XTAL_TXC 16 MHz" SMD_OSC_DFN_2.5X3.2MM 225.5,207.8 r180 top
YO4_3 "XTAL_TXC 16 MHz" SMD_OSC_DFN_2.5X3.2MM 207.8,23.7 r90 top
YO4_4 "XTAL_TXC 16 MHz" SMD_OSC_DFN_2.5X3.2MM 24.4,42.2 r0 top
YO5_1 "(OPT)XTAL_TXC 16 MHz" SMD_OSC_DFN_2X2.5MM 42.2,225.6 r270 top
YO5_2 "(OPT)XTAL_TXC 16 MHz" SMD_OSC_DFN_2X2.5MM 225.5,207.8 r180 top
YO5_3 "(OPT)XTAL_TXC 16 MHz" SMD_OSC_DFN_2X2.5MM 207.8,23.7 r90 top
YO5_4 "(OPT)XTAL_TXC 16 MHz" SMD_OSC_DFN_2X2.5MM 24.4,42.2 r0 top

## Footprints (in the part's own frame and the unit in brackets; to place one, negate y for a bottom-side part, rotate by r counter-clockwise, add the part's x,y. Pads: shape width x height; smd on the part's side, far side on the other; paste and mask are expansions set on the pad)
PTH_CON_PANCON-MPSS100-04D [mm]
  round 1.85 hole 1.15 mask+0.075: 1(-3.75,0) 2(-1.25,0) 3(1.25,0) 4(3.75,0)
  silkscreen extent -6.09,-3.6 5.1,3.32, body extent -5.11,-3.6 5.11,3.3, height 10.8
PTH_CON_PCI-E [mm]
  round 2.5 hole 1.8 mask+0.075: 1(-4.2,-2.75) 2(-4.2,2.75) 3(0,-2.75) 4(0,2.75) 5(4.2,-2.75) 6(4.2,2.75)
  body extent -7.09,-3.4 7.09,16.57, height 11.4
"SIP5 PGM TOP" [mm]
  rect 1.3x1.3 smd: 1(0,0)
  round 1.3 smd: 2(2.55,0) 3(5.05,0) 4(7.6,0) 5(10.15,0)
SMD_0603_CAPC1608X80N [mm]
  rrect42% 0.95x1 smd mask+0.075: 1(-0.8,0) 2(0.8,0)
  body extent -0.8,-0.4 0.8,0.4, height 0.8
SMD_0603_RESC1608X55N [mm]
  rrect44% 0.9x1 smd mask+0.075: 1(-0.8,0) 2(0.8,0)
  silkscreen extent 0,-0.4 0,0.4, body extent -0.8,-0.4 0.8,0.4, height 0.55
SMD_0805_CAPC2012X145N [mm]
  rrect35% 1.15x1.45 smd mask+0.075: 1(-0.9,0) 2(0.9,0)
  body extent -1,-0.6 1,0.6, height 1.45
SMD_0805_LED2012X100N [mm]
  rrect33% 1.2x1.2 smd mask+0.075: 1(-1.05,0) 2(1.05,0)
  silkscreen extent 0,-0.65 0,0.65
SMD_1206_RESC3216X180N [mm]
  rrect38% 1.05x1.75 smd mask+0.075: 1(-1.5,0) 2(1.5,0)
  silkscreen extent -0.65,-0.85 0.65,0.85, body extent -1.6,-0.71 1.6,0.71, height 1.71
SMD_1210_CAPC3225X279N [mm]
  rrect35% 1.15x2.7 smd mask+0.075: 1(-1.5,0) 2(1.5,0)
  silkscreen extent -0.6,-1.35 0.6,1.35, body extent -1.6,-1.25 1.6,1.25, height 2.79
SMD_BGA900_FAN [mm]
  round 9 hole 4: 1(-40,-40) 1(-40,40) 1(40,-40) 1(40,40)